# KiCad board AGB-E02-20.kicad_pcb (continued)
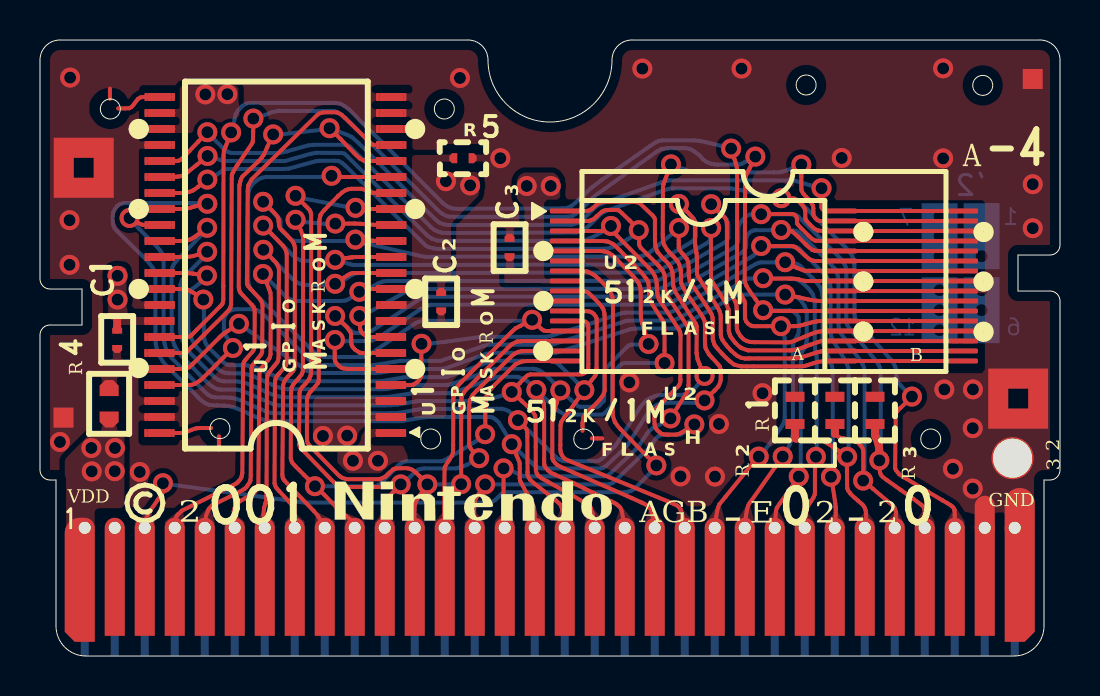
[diagram p0: board, top side]
## Routing (per net, layer and track width the routed paths; a pad name or vN(x,y) marks a point on that pad's centre or on a via; arc(x,y) is an arc through that point) (continued)
D6: length 60.1
  Top w0.1: U1.6 U1.6
  Top w0.2: 37.21,21.31 37.44,21.31 37.62,21.22 37.83,21.03 arc(37.88,20.99) 37.92,20.95 38.27,20.6 arc(38.29,20.58) 38.31,20.56 38.37,20.51 arc(38.48,20.4) 38.6,20.31 38.61,20.31 38.73,20.27 38.75,20.27 arc(38.88,20.25) 39.01,20.25 U2.28 U2.28 U2.28 ; 14.74,17.04 15.16,16.62 arc(15.19,16.59) 15.21,16.57 15.33,16.46 15.39,16.38 arc(15.44,16.32) 15.48,16.26 15.52,16.2 15.56,16.09 15.56,15.7 15.58,15.57 15.63,15.46 15.73,15.34 15.76,15.32 arc(15.86,15.24) 15.97,15.18 15.98,15.17 16.11,15.15 U1.6 U1.6 ; U0.28 42.79,6.93 arc(42.79,7.03) 42.8,7.13 42.8,7.2 42.76,7.34 42.71,7.44 42.62,7.54 41.66,8.35 arc(41.65,8.36) 41.64,8.37 41.18,8.77 ; v1(41.16,8.77) 41.17,9.47 arc(41.17,9.48) 41.17,9.49 41.17,10.22 41.14,10.37 41.06,10.5 41.04,10.52 arc(40.94,10.62) 40.84,10.71 40.83,10.72 40.73,10.76 40.67,10.77 arc(40.6,10.78) 40.52,10.8 40.45,10.81 arc(40.43,10.82) 40.4,10.83 40.28,10.86 arc(40.24,10.87) 40.19,10.88 39.96,10.93 39.85,11.01
  Top w0.4: 39.75,11.49 39.75,11.11
  Bottom w0.2: v1(41.16,8.77) 41.23,9.18 41.23,14.21 41.2,14.42 41.13,14.6 41.01,14.78 40.07,16.1 39.98,16.25 39.94,16.38 39.93,16.64 39.92,18.86 39.89,19.03 39.83,19.2 39.73,19.38 39.55,19.58 37.96,21.16 37.81,21.25 37.66,21.27 v1(37.06,21.3) 36.55,21.29 35.76,21.29 35.62,21.26 35.47,21.16 35.36,21.03 35.31,20.86 35.31,20.54 35.29,20.42 35.22,20.28 35.09,20.17 31.64,18.19 31.32,18.02 31.1,17.97 19.36,17.96 19.19,17.93 18.98,17.84 16.9,16.46 16.57,16.25 16.39,16.18 16.19,16.15 15.91,16.15 15.72,16.16 15.6,16.23 15.11,16.69 v1(14.76,17)
D7: length 58.7
  Top w0.1: U1.7 U1.7
  Top w0.2: 15.97,17.03 16,16.56 arc(16,16.55) 16,16.54 16.01,16.36 16.05,16.24 16.14,16.12 16.27,16.03 16.39,15.97 16.51,15.95 U1.7 U1.7 ; 36.16,22.1 37.64,22.1 37.75,22.05 37.82,21.97 37.85,21.86 37.85,21.73 37.87,21.61 37.87,21.6 arc(37.96,21.49) 38.06,21.39 38.42,21.03 arc(38.45,21) 38.47,20.98 38.59,20.87 38.75,20.77 38.8,20.76 arc(38.92,20.75) 39.03,20.75 U2.29 U2.29 U2.29 ; U0.29 44.24,7.1 arc(44.23,7.22) 44.22,7.34 44.22,7.38 44.17,7.47 44.08,7.54 arc(44.05,7.57) 44.02,7.59 43.65,7.87 arc(43.62,7.9) 43.58,7.93 43.04,8.3 arc(43.03,8.31) 43.02,8.32 42.36,8.79 arc(42.34,8.8) 42.32,8.82 42.14,8.95 42.05,9.06 42.01,9.16 42,9.19 arc(41.97,9.38) 41.95,9.58 41.95,9.76
  Top w0.4: 41.75,11.49 41.76,11.03 41.81,10.9 arc(41.84,10.85) 41.86,10.8 41.92,10.64 41.93,10.56 arc(41.95,10.41) 41.96,10.25 v1(41.97,9.78) 41.97,10.08
  Bottom w0.2: v1(41.97,9.78) 42.04,10.24 42.04,14.23 42,14.41 41.93,14.57 41.86,14.69 40.45,16.4 40.37,16.55 40.32,16.71 40.32,19.32 40.28,19.48 40.18,19.68 40.07,19.83 39.88,20.03 37.91,21.98 37.78,22.06 37.65,22.08 36.57,22.08 v1(36.06,22.09) 35.5,22.07 35.36,22.02 35.23,21.91 35.08,21.75 34.98,21.6 34.92,21.44 34.92,20.88 34.91,20.71 34.83,20.54 34.68,20.41 31.18,18.43 30.94,18.36 18.65,18.35 18.44,18.29 16.44,17.18 v1(15.97,17)
RD: length 65.7
  Top w0.1: U1.18 U1.18
  Top w0.2: U0.4 6.74,6.72 6.8,6.91 6.86,7.03 6.91,7.08 arc(6.99,7.17) 7.08,7.25 7.12,7.28 9.66,8.54 arc(9.72,8.57) 9.78,8.6 9.84,8.64 9.88,8.68 arc(9.92,8.72) 9.96,8.76 10,8.81 10.07,8.92 10.09,9 arc(10.1,9.05) 10.11,9.1 10.12,9.16 10.16,14.53 10.18,14.64 10.23,14.75 10.26,14.8 arc(10.3,14.84) 10.33,14.88 10.63,15.22 10.69,15.31 10.73,15.42 10.74,17.12 arc(10.73,17.22) 10.73,17.32 10.73,17.33 10.68,17.46 10.6,17.54 arc(10.59,17.56) 10.57,17.58 10.14,18.03 arc(10.09,18.09) 10.04,18.15 10.01,18.19 9.96,18.3 9.94,18.44 9.97,23.5 9.98,23.58 arc(10,23.66) 10.02,23.74 10.05,23.84 10.13,23.98 10.88,24.69 arc(10.9,24.71) 10.92,24.73 10.93,24.75 arc(11,24.81) 11.05,24.88 11.1,24.93 11.2,25.07 11.36,25.43 arc(11.36,25.43) 11.36,25.43 11.66,26.1 ; 39.07,23.44 39.07,22.62 arc(39.07,22.54) 39.07,22.46 39.08,22.42 39.13,22.33 39.21,22.27 39.33,22.25 U2.32 U2.32 U2.32 ; 14.54,26.36 15.04,25.84 15.72,25.13 arc(15.77,25.08) 15.82,25.04 16,24.87 16.19,24.77 16.34,24.76 arc(16.43,24.75) 16.51,24.75 U1.18 U1.18
  Bottom w0.2: v1(11.66,26.08) 12.05,26.08 13.99,26.3 v1(14.48,26.39) 15.36,26.06 15.59,25.95 15.95,25.63 18.06,23.53 18.5,23.08 19.75,21.85 19.97,21.67 20.21,21.58 20.43,21.55 26.58,21.56 26.85,21.64 27.05,21.75 27.4,22.08 27.71,22.39 27.9,22.54 28.09,22.62 31.2,23.73 31.42,23.78 37.44,23.78 37.75,23.76 38.12,23.65 38.53,23.53 v1(39.08,23.39)
WR: length 40.8
  Top w0.2: 30.84,9.55 30.39,9.95 arc(30.35,9.99) 30.3,10.04 29.03,11.33 arc(28.89,11.5) 28.76,11.68 28.75,11.7 28.73,11.74 arc(28.68,11.88) 28.64,12.03 28.64,12.06 28.64,12.22 arc(28.64,12.22) 28.64,12.22 28.65,17.55 arc(28.65,17.61) 28.64,17.67 28.63,17.94 28.6,18 arc(28.55,18.13) 28.49,18.25 28.47,18.3 28.41,18.37 arc(28.33,18.46) 28.26,18.54 27.94,18.85 arc(27.88,18.91) 27.81,18.96 27.71,19.05 27.63,19.09 arc(27.55,19.14) 27.46,19.18 27.37,19.22 27.28,19.23 arc(27.21,19.24) 27.14,19.24 27.08,19.25 arc(27.03,19.25) 26.97,19.25 U2.7 U2.7 ; v1(6.15,8.64) 6.14,8.17 6.03,8.01 arc(6.02,8) 6.01,7.99 5.89,7.81 5.53,7.28 arc(5.48,7.21) 5.43,7.13 5.38,7.04 arc(5.3,6.89) 5.24,6.73 5.24,6.72 U0.3
  Bottom w0.2: v1(6.15,8.64) 6.62,8.56 12.78,7.73 13,7.7 13.19,7.68 13.45,7.67 22.44,7.67 22.6,7.7 22.75,7.79 22.91,7.94 23.08,8.11 23.19,8.18 23.31,8.19 29.29,8.19 29.43,8.22 29.57,8.26 29.74,8.37 30.32,8.96 30.5,9.14 v1(30.82,9.53)
unconnected-(U1-Pad23): length 3
  Top w0.1: U1.23 U1.23
  Top w0.2: 3.91,27.38 4.27,27.38 arc(4.36,27.38) 4.45,27.39 4.47,27.39 4.56,27.44 4.66,27.53 4.72,27.62 arc(4.77,27.69) 4.82,27.76 4.91,27.86 5.03,27.93 5.15,27.95 U1.23 U1.23
unconnected-(U1-Pad44): length 3.3
  Top w0.1: 5.29,11.15 U1.44
  Top w0.2: U1.44 6.95,11.15 arc(7.02,11.15) 7.08,11.15 7.18,11.16 7.29,11.2 arc(7.37,11.22) 7.44,11.25 7.57,11.3 arc(7.69,11.35) 7.81,11.38 7.84,11.39 7.97,11.4 arc(8.03,11.4) 8.08,11.4 8.56,11.4
unconnected-(U2-NC-Pad9): length 9.4
  Top w0.2: U2.9 U2.9 27.2,18.24 27.33,18.21 27.43,18.15 27.58,18.01 arc(27.64,17.96) 27.69,17.91 27.95,17.64 arc(28.03,17.54) 28.11,17.43 28.12,17.43 28.18,17.31 28.22,17.15 28.23,17.03 arc(28.23,16.94) 28.24,16.85 28.24,13.28 28.21,13.17 28.16,13.05 28.08,12.95 arc(28.04,12.88) 27.99,12.82 27.94,12.77 arc(27.89,12.7) 27.82,12.64 27.7,12.51 arc(27.68,12.49) 27.66,12.47 27.52,12.34 arc(27.5,12.32) 27.48,12.3 27.43,12.25 arc(27.37,12.19) 27.31,12.13 27.26,12.06 27.19,11.96 27.17,11.89 arc(27.15,11.79) 27.13,11.69 27.13,11.64 27.13,11.26

## Copper pours and planes (outline as drawn; the poured copper is in the pictures)
+3V3 on Top: 25.63,18.87 25.29,18.87 25.21,18.94 25.21,22.66 25.37,22.82 25.88,22.82 26.05,22.99 26.05,23.84 25.68,24.21 24.17,24.21 23.81,23.85 23.81,22.84 24.23,22.31 24.22,19.47 24.1,19.31 23.85,19.31 23.74,19.38 23.7,19.44 23.7,19.96 23.3,19.96 23.3,19.38 23.25,19.31 23.21,19.25 23.21,18.75 23.3,18.63 25.63,18.63
+3V3 on Top: 17.06,12.95 13.85,12.95 13.65,12.75 13.65,10.8 13.95,10.5 15.53,10.5 15.54,10.51 15.62,10.55 15.73,10.64 15.8,10.72 15.84,10.83 15.86,10.96 15.89,11.05 15.93,11.16 15.99,11.26 16.1,11.38 16.21,11.46 16.3,11.49 16.39,11.51 16.45,11.56 16.48,11.63 16.5,11.7 16.51,11.74 16.53,11.75 16.91,11.75 16.91,12.15 16.55,12.14 16.46,12.24 16.46,12.48 16.57,12.54 16.63,12.55 17.06,12.55
+3V3 on Top: 1.24,6.16 1.24,9.71 1.27,9.83 1.32,9.94 1.45,10.08 2.49,11.15 2.56,11.2 2.88,11.2 2.97,11.22 3.04,11.27 3.08,11.33 3.08,11.54 3.86,11.54 3.86,11.31 4.24,10.92 4.27,10.89 4.27,7.63 4.2,7.52 4.13,7.45 4.07,7.41 4,7.39 3,7.39 2.93,7.38 2.84,7.35 2.75,7.26 2.74,7.22 2.74,6.16
+3V3 on Top: 5.71,16.55 3.97,16.55 3.97,16.41 3.74,16.41 3.74,16.72 3.4,16.91 3.39,16.92 3.39,19.25 3.41,19.32 3.45,19.38 3.49,19.43 3.55,19.48 3.61,19.5 4.2,19.5 4.25,19.48 4.32,19.41 4.34,19.37 4.36,19.32 4.37,19.27 4.37,17.19 4.39,17.15 4.44,17.09 4.53,17.01 4.59,16.96 4.62,16.95 5.71,16.95
+3V3 on Top: 6.05,26.15 7.58,26.15 7.68,26.25 7.68,26.37 7.76,26.53 7.82,26.61 7.91,26.71 7.98,26.77 8.07,26.82 8.16,26.86 8.25,26.88 8.55,26.88 8.6,26.86 8.72,26.8 8.84,26.7 8.86,26.69 9.09,26.69 9.13,26.72 9.2,26.77 9.31,26.82 9.46,26.87 9.78,26.87 9.92,26.96 9.97,27.01 9.97,28.33 9.95,28.41 9.9,28.47 9.84,28.52 9.78,28.56 9.72,28.57 7.1,28.57 7,28.47 6.99,28.43 6.99,27.47 6.98,27.43 6.96,27.39 6.93,27.35 6.11,27.35 6.09,27.33 6.09,26.95 6.89,26.95 6.92,26.92 6.95,26.88 6.98,26.83 6.98,26.65 6.97,26.62 6.95,26.59 6.92,26.55 6.05,26.55
+3V3 on Top: 17.59,17.35 19.22,17.35 19.36,17.48 19.36,18.57 19.5,18.71 19.77,18.71 19.87,18.61 19.87,18.38 20.25,18.38 20.25,18.61 20.55,19.06 20.57,19.08 20.57,21.57 20.61,21.64 20.65,21.7 21.93,23.01 21.97,23.09 21.98,23.1 21.98,24.05 21.84,24.2 20.08,24.2 19.98,24.3 19.98,24.63 20.07,24.72 20.59,24.72 20.59,25.05 20.57,25.07 18.74,25.07 18.66,25.01 18.62,24.96 18.6,24.92 18.6,17.8 18.55,17.75 17.59,17.75
+3V3 on Bottom: 28.14,11.76 28.06,11.75 27.98,11.72 27.95,11.67 27.95,11.57 28.14,11.28 28.21,11.14 28.22,11.02 28.23,10.93 28.23,10.64 28.26,10.59 28.28,10.58 28.37,10.58 28.42,10.62 28.55,10.75 28.73,11.01 28.97,11.36 29.15,11.64 29.37,12.01 29.59,12.34 29.61,12.38 29.66,12.46 29.72,12.54 29.81,12.67 29.89,12.77 29.98,12.86 30.15,13.01 30.23,13.07 30.31,13.12 30.41,13.18 30.52,13.24 30.66,13.29 30.79,13.33 30.92,13.36 31.01,13.38 32.14,13.38 32.24,13.42 32.46,13.56 32.59,13.7 32.6,13.72 32.6,14.16 32.68,14.31 32.73,14.39 32.8,14.46 32.88,14.53 32.96,14.59 33.14,14.68 33.47,14.68 33.6,14.64 33.71,14.59 33.82,14.49 33.91,14.39 34,14.22 34.04,14.08 34.04,13.87 34.02,13.76 33.91,13.54 33.86,13.49 33.84,13.45 33.84,13.27 33.9,13.19 33.98,13.07 34.01,12.97 34.02,12.89 34.02,12.6 33.99,12.49 33.94,12.38 33.87,12.29 33.81,12.23 33.7,12.15 33.6,12.11 33.52,12.06 33.49,12.02 33.49,11.79 33.52,11.75 33.54,11.69 33.54,11.37 33.49,11.26 33.42,11.15 33.34,11.05 33.23,10.97 33.12,10.9 32.98,10.85 32.68,10.85 32.64,10.87 32.54,10.9 32.47,10.92 32.41,10.92 32.35,10.89 32.29,10.84 32.24,10.83 32.18,10.8 32,10.76 31.16,10.76 31.1,10.72 31.01,10.62 30.91,10.47 30.86,10.39 30.86,10.28 30.88,10.24 30.91,10.22 31.07,10.22 31.14,10.19 31.26,10.12 31.35,10.07 31.43,9.99 31.51,9.89 31.56,9.82 31.61,9.71 31.62,9.69 31.62,9.34 31.56,9.22 31.5,9.11 31.43,9.02 31.35,8.96 31.26,8.9 31.14,8.85 31.02,8.83 30.64,8.83 30.59,8.77 30.4,8.59 30.27,8.45 30.02,8.21 29.89,8.11 29.75,8.03 29.63,7.97 29.53,7.94 29.38,7.89 29.3,7.88 23.32,7.88 23.01,7.59 22.84,7.48 22.68,7.39 22.55,7.37 13.24,7.37 9.16,7.88 7.77,8.08 6.97,8.2 6.85,8.21 6.73,8.11 6.62,8.02 6.51,7.96 6.36,7.91 5.98,7.92 5.83,8 5.7,8.1 5.59,8.22 5.5,8.39 5.47,8.77 5.52,8.89 5.61,9.04 5.71,9.15 5.8,9.23 5.9,9.28 6.02,9.32 6.34,9.32 6.47,9.27 6.58,9.22 6.7,9.13 6.81,8.99 6.89,8.89 6.96,8.83 7.07,8.81 7.34,8.79 7.75,8.74 12.93,8.04 13.04,8.04 13.08,8.08 13.14,8.13 13.14,8.3 13.12,8.35 13.11,8.41 13.11,8.48 13.15,8.71 13.17,8.79 13.22,8.87 13.37,9.05 13.53,9.15 13.61,9.18 13.7,9.2 13.79,9.21 13.9,9.21 13.99,9.2 14.09,9.17 14.18,9.13 14.27,9.08 14.43,8.92 14.51,8.81 14.53,8.79 16.75,8.79 17.58,9.64 17.62,9.68 17.68,9.68 17.73,9.72 17.81,9.81 17.83,9.83 17.83,11.19 17.77,11.32 17.69,11.39 17.62,11.43 17.53,11.44 16.26,11.44 16.22,11.42 16.19,11.39 16.16,11.35 16.16,10.58 16.14,10.51 16.09,10.44 16.01,10.35 15.94,10.3 15.78,10.23 15.13,10.23 14.74,9.84 14.64,9.78 14.6,9.75 13.15,9.75 13.05,9.7 12.9,9.7 12,9.19 8.16,9.19 8.03,9.25 7,10.24 6.96,10.26 6.95,10.27 4.74,10.27 4.67,10.23 4.6,10.16 4.54,10.07 4.52,10.02 4.52,9.04 4.47,8.9 4.39,8.74 4.31,8.64 4.21,8.55 4.08,8.49 3.98,8.45 3.87,8.44 2.41,8.44 2.31,8.48 2.15,8.56 2.07,8.64 1.95,8.77 1.91,8.86 1.87,8.97 1.87,10.62 1.93,10.75 2.02,10.88 2.25,11.1 3.14,12 3.17,12.06 3.17,19.04 3.14,19.14 3.05,19.24 2.3,20 2.28,20.1 2.24,20.24 2.24,22.98 2.3,23.08 2.46,23.31 7.77,29.11 7.95,29.29 8.13,29.39 8.36,29.44 17.19,29.44 17.34,29.39 17.56,29.28 17.76,29.12 19.05,27.86 19.12,27.82 19.24,27.82 19.31,27.86 19.43,28 19.57,28.11 19.74,28.24 19.88,28.3 20,28.34 20.43,28.34 20.55,28.3 20.68,28.24 20.88,28.12 21.02,28 21.16,27.84 21.22,27.68 21.25,27.53 21.25,27.21 21.19,27.01 21.1,26.8 20.98,26.67 20.69,26.44 20.65,26.38 20.65,26.25 22.6,24.34 22.7,24.27 22.84,24.21 22.95,24.19 25.72,24.19 25.94,24.11 26.04,24.03 26.13,23.95 26.21,23.84 26.25,23.75 26.3,23.61 26.3,22.78 26.32,22.77 26.37,22.77 26.42,22.78 27.44,23.74 28.15,24.23 29.75,25.37 30.38,25.83 30.57,25.94 30.81,26.05 31,26.09 31.1,26.11 32.85,26.11 33.18,26.06 33.82,25.88 33.87,25.85 34.02,25.85 34.11,25.91 34.26,26.02 34.41,26.08 34.53,26.09 34.79,26.09 34.9,26.05 35.01,25.98 35.09,25.91 35.17,25.82 35.22,25.74 35.26,25.67 35.32,25.63 35.4,25.61 35.47,25.61 35.56,25.64 35.66,25.7 35.95,25.7 36.05,25.66 36.21,25.59 36.3,25.51 36.39,25.42 36.47,25.28 36.52,25.15 36.53,25.07 36.53,24.89 36.51,24.84 36.49,24.77 36.49,24.63 36.54,24.55 36.6,24.5 36.64,24.49 37.01,24.49 37.12,24.54 37.24,24.58 37.34,24.62 37.39,24.67 37.42,24.76 37.46,24.87 37.53,24.99 37.63,25.1 37.75,25.19 37.88,25.26 37.99,25.29 38.32,25.29 38.44,25.23 38.55,25.16 38.67,25.05 38.75,24.93 38.81,24.8 38.83,24.71 38.83,24.18 38.88,24.13 38.92,24.1 39.21,24.1 39.32,24.09 39.43,24.06 39.53,23.99 39.61,23.92 39.67,23.86 39.73,23.78 39.78,23.68 39.82,23.57 39.84,23.47 39.84,23.26 39.79,23.09 39.74,22.99 39.67,22.9 39.57,22.81 39.46,22.74 39.34,22.7 39.23,22.68 39.17,22.68 39.14,22.65 39.14,22.04 39.18,21.96 40.77,20.34 40.85,20.23 40.93,20.09 41,19.92 41.03,19.79 41.05,19.66 41.05,17.09 41.09,16.99 41.15,16.87 42.1,15.81 42.67,15.14 42.86,14.93 43,14.7 43.07,14.53 43.12,14.37 43.15,14.24 43.15,13.9 43.21,13.79 43.3,13.72 43.35,13.68 43.74,13.68 43.86,13.63 44.02,13.56 44.12,13.47 44.22,13.36 44.28,13.24 44.31,13.15 44.33,13.06 44.33,12.82 44.3,12.72 44.23,12.58 44.13,12.46 44.03,12.37 43.9,12.3 43.84,12.27 43.76,12.26 43.44,12.26 43.29,12.31 43.14,12.4 43.04,12.5 42.95,12.65 42.92,12.75 42.9,12.85 42.89,13.17 42.6,13.53 42.55,13.56 42.45,13.56 42.4,13.53 42.36,13.49 42.36,10.45 42.41,10.39 42.54,10.28 42.64,10.17 42.7,10.04 42.75,9.9 42.75,9.58 42.69,9.48 42.57,9.32 42.48,9.24 42.38,9.17 42.3,9.12 42.22,9.1 42.13,9.08 42.04,9.08 41.95,8.97 41.95,8.65 41.9,8.52 41.83,8.39 41.75,8.3 41.65,8.21 41.54,8.15 41.42,8.11 41.37,8.09 41.07,8.09 40.93,8.14 40.75,8.23 40.66,8.32 40.61,8.41 40.53,8.55 40.49,8.67 40.46,8.7 40.3,8.7 40.25,8.62 40.19,8.53 40,8.37 39.85,8.31 39.72,8.29 39.43,8.29 39.22,8.4 39.08,8.54 39.01,8.63 38.93,8.77 38.89,8.79 38.78,8.79 38.74,8.76 38.71,8.69 38.65,8.59 38.59,8.51 38.43,8.39 38.25,8.3 38.15,8.29 37.88,8.29 37.77,8.32 37.68,8.37 37.59,8.43 37.52,8.5 37.45,8.59 37.38,8.69 37.35,8.76 37.32,8.85 37.31,8.98 37.31,9.17 37.22,9.28 37.12,9.3 37.03,9.3 36.95,9.33 36.86,9.37 36.8,9.41 36.7,9.51 36.6,9.51 36.49,9.47 36.4,9.4 36.28,9.32 36.2,9.3 35.79,9.3 35.67,9.35 35.55,9.43 35.39,9.59 35.34,9.68 35.31,9.77 35.3,9.85 35.3,10.08 35.32,10.17 35.38,10.28 35.43,10.38 35.53,10.49 35.64,10.57 35.73,10.62 35.94,10.69 36.12,10.69 36.18,10.72 36.27,10.84 36.89,11.78 36.9,11.81 36.9,15.73 36.88,15.75 36.68,15.91 36.57,16.01 36.45,16.2 36.41,16.3 36.4,16.42 36.36,16.5 36.31,16.54 35.99,16.57 35.86,16.64 35.73,16.73 35.64,16.85 35.57,16.96 35.52,17.06 35.5,17.23 35.5,17.47 35.51,17.5 35.54,17.52 35.55,17.56 35.55,17.64 35.53,17.68 35.5,17.72 35.46,17.75 35,17.74 34.89,17.73 32.06,16.13 31.92,16.09 31.81,16.06 31.7,16.05 31.24,16.06 31.2,16.04 31.15,16 31.15,15.89 31.18,15.84 31.22,15.74 31.23,15.65 31.23,15.44 31.3,15.33 31.49,15.33 31.58,15.3 31.67,15.24 31.78,15.17 31.86,15.09 31.93,15 31.97,14.91 32.01,14.79 32.03,14.69 32.03,14.53 32.02,14.41 31.98,14.32 31.93,14.23 31.86,14.12 31.81,14.08 31.7,14 31.57,13.94 31.38,13.89 31.19,13.89 31.04,13.92 30.88,14.01 30.79,14.1 30.71,14.19 30.62,14.3 29.27,14.3 29.2,14.27 28.94,14 28.94,12.48 28.84,12.28 28.76,12.19 28.53,11.96 28.41,11.86 28.32,11.79
+3V3 on Bottom: 25.86,22.67 25.96,22.7 26.05,22.8 26.05,23.59 26.01,23.72 25.93,23.82 25.8,23.92 25.69,23.96 25.61,23.97 22.83,23.97 22.68,24.01 22.54,24.08 22.45,24.14 21.14,25.42 20.22,26.33 20.15,26.35 20.02,26.37 19.89,26.4 19.78,26.44 19.66,26.49 19.58,26.55 19.48,26.66 19.4,26.76 19.3,26.89 19.27,26.99 19.23,27.11 19.21,27.22 19.21,27.36 19.17,27.4 18.8,27.75 17.54,28.99 17.4,29.09 17.21,29.17 17.11,29.2 16.95,29.22 8.33,29.22 8.25,29.19 8.1,29.12 8.01,29.03 7.38,28.3 7.25,28.18 2.51,23 2.48,22.94 2.47,22.78 2.47,20.24 2.49,20.15 2.61,19.99 2.89,19.72 3.26,19.37 3.33,19.27 3.38,19.14 3.38,11.98 3.3,11.82 3.14,11.65 2.21,10.74 2.15,10.64 2.11,10.52 2.09,10.42 2.09,9.11 2.13,9 2.19,8.88 2.26,8.79 2.34,8.72 2.38,8.68 3.89,8.68 3.95,8.7 4.04,8.75 4.18,8.89 4.26,9.03 4.26,10.09 4.28,10.15 4.33,10.22 4.39,10.3 4.44,10.36 4.51,10.41 4.59,10.44 4.66,10.46 4.81,10.49 7.09,10.49 7.14,10.46 7.47,10.13 8.18,9.46 8.25,9.44 11.9,9.44 12.01,9.47 12.25,9.6 12.37,9.67 12.45,9.71 12.96,9.98 12.99,10.01 14.48,10.01 14.53,10.03 14.61,10.07 14.73,10.17 14.98,10.42 15.03,10.46 15.75,10.46 15.82,10.53 15.89,10.61 15.91,10.66 15.91,11.19 15.89,11.28 15.84,11.34 15.78,11.39 15.74,11.42 11.46,11.42 11.25,11.45 11.02,11.52 10.64,11.68 10.23,11.87 10.16,11.9 10.11,11.9 9.99,11.78 9.99,11.65 10.02,11.61 10.04,11.48 10.04,11.04 9.97,10.91 9.86,10.72 9.76,10.6 9.65,10.5 9.49,10.41 9.36,10.36 9.2,10.32 8.86,10.32 8.71,10.35 8.59,10.39 8.42,10.49 8.26,10.64 8.13,10.82 8.04,11 8,11.12 8,11.55 8.05,11.68 8.1,11.8 8.17,11.92 8.33,12.08 8.33,12.26 8.26,12.3 8.09,12.39 7.96,12.47 7.8,12.6 7.24,13.16 6.14,14.24 5.89,14.55 5.7,14.84 5.56,15.17 5.49,15.48 5.46,15.69 5.46,19.03 5.45,19.14 5.4,19.24 5.28,19.38 4.16,20.5 3.58,21.07 3.46,21.23 3.38,21.39 3.36,21.49 3.35,21.63 3.35,22.21 3.37,22.28 3.42,22.39 3.51,22.56 3.62,22.69 3.75,22.8 3.91,22.89 4.07,22.95 7.33,22.95 7.41,22.99 7.47,23.05 7.56,23.13 7.61,23.2 7.65,23.27 7.68,23.35 7.68,26.24 7.7,26.35 7.74,26.46 7.82,26.6 7.9,26.7 8.12,26.83 8.22,26.85 8.57,26.85 8.66,26.82 8.77,26.75 8.86,26.69 8.91,26.66 9.06,26.66 9.12,26.69 9.18,26.74 9.27,26.79 9.36,26.85 9.4,26.88 9.42,26.91 9.44,27.02 9.47,27.13 9.52,27.26 9.6,27.39 9.69,27.48 9.82,27.63 9.93,27.74 10.04,27.83 10.13,27.87 10.27,27.93 10.42,27.97 14.89,27.97 15.11,27.92 15.28,27.84 15.42,27.77 15.56,27.67 15.68,27.54 15.88,27.35 16.14,27.09 16.7,26.52 20.31,22.92 20.47,22.77 20.57,22.71 20.69,22.67
GND on Top: 16.96,11.35 16.44,11.35 16.22,11.23 16.07,11.01 16.03,10.78 15.96,10.62 15.77,10.43 15.62,10.33 15.5,10.28 14.94,10.28 14.89,10.24 14.87,10.18 14.87,9.67 15.41,9.14 17,9.14 17.55,9.6 17.68,9.67 17.77,9.69 18.28,9.69 18.39,9.77 18.39,9.99 18.16,10.52 16.68,10.52 16.61,10.56 16.55,10.62 16.55,10.83 16.58,10.89 16.65,10.95 16.96,10.95
GND on Top: 5.96,11.75 6.85,11.75 6.96,11.65 6.96,11.49 6.98,11.46 7.15,11.46 7.54,11.61 7.66,11.65 7.79,11.69 7.92,11.7 7.97,11.71 8.01,11.79 8.07,11.9 8.13,12 8.18,12.07 8.24,12.13 8.39,12.24 8.55,12.32 8.69,12.37 8.83,12.4 8.92,12.41 9.71,12.41 9.76,12.44 9.81,12.49 9.81,14.56 9.76,14.64 9.71,14.68 9.62,14.69 9.4,14.69 9.36,14.67 8.52,13.82 8.29,13.6 8.06,13.42 7.91,13.36 7.74,13.3 7.49,13.24 7.01,13.24 6.98,13.23 6.96,13.18 6.96,13.05 6.9,12.99 6.85,12.95 5.96,12.95 5.96,12.55 6.79,12.55 6.87,12.51 6.94,12.46 6.94,12.28 6.91,12.22 6.86,12.17 6.81,12.15 5.97,12.15
GND on Top: 0.47,9.37 0.5,9.3 0.54,9.26 0.59,9.22 0.84,9.22 0.91,9.25 0.97,9.3 0.98,9.36 0.98,9.79 0.99,9.88 1.03,9.97 1.11,10.07 1.22,10.19 2.5,11.48 2.53,11.54 2.54,11.55 2.54,13.85 2.56,13.9 2.63,13.96 2.68,14 2.75,14.02 2.89,14.02 2.96,14 3.04,13.93 3.09,13.87 3.09,13.49 3.85,13.49 3.85,13.86 3.92,13.95 3.97,14 4.02,14.01 4.22,14.01 4.25,14 4.32,13.94 4.37,13.89 4.39,13.86 4.39,11.25 4.41,11.2 4.48,11.12 4.48,7.61 4.53,7.53 4.61,7.44 4.66,7.42 4.73,7.41 5.16,7.41 5.19,7.43 5.35,7.59 5.47,7.75 5.65,8.03 5.67,8.07 5.67,8.11 5.65,8.13 5.49,8.37 5.45,8.44 5.43,8.52 5.44,8.8 5.45,8.88 5.51,8.99 5.69,9.18 5.79,9.26 5.88,9.31 5.97,9.33 6.02,9.34 6.34,9.34 6.42,9.31 6.51,9.27 6.59,9.21 6.67,9.14 6.74,9.06 6.81,8.95 6.83,8.88 6.85,8.76 6.85,8.5 6.83,8.42 6.79,8.31 6.74,8.23 6.65,8.13 6.52,8.03 6.34,7.89 6.2,7.69 6.18,7.66 6.18,7.55 6.21,7.49 6.28,7.42 6.31,7.41 6.71,7.41 6.75,7.42 6.82,7.49 6.94,7.56 7.92,8.04 9.12,8.61 9.65,8.88 9.74,8.99 9.81,9.13 9.82,9.19 9.82,10.2 9.81,10.23 9.78,10.28 9.72,10.34 9.68,10.37 9.61,10.38 8.8,10.38 8.72,10.4 8.61,10.43 8.45,10.49 8.34,10.56 8.17,10.73 8.07,10.86 8.01,10.96 7.98,11.04 7.96,11.07 7.83,11.07 7.71,11.01 7.57,10.98 7.36,10.89 7.24,10.85 7.14,10.84 7.02,10.84 6.98,10.82 6.98,10.78 6.97,10.7 6.91,10.6 6.84,10.55 6.79,10.54 6.72,10.53 5.11,10.53 5.08,10.54 5.04,10.57 4.99,10.61 4.93,10.69 4.92,10.72 4.92,11.66 4.93,11.69 5,11.76 5.04,11.77 5.48,11.77 5.48,12.13 5.09,12.13 5.06,12.15 4.96,12.24 4.94,12.28 4.94,12.43 4.95,12.45 4.99,12.5 5.08,12.54 5.12,12.56 5.15,12.57 5.39,12.57 5.39,12.93 5.15,12.93 5.11,12.94 5.01,12.99 4.97,13.02 4.94,13.06 4.93,13.1 4.93,14.62 4.92,14.67 4.83,14.76 4.78,14.79 4.24,14.79 4.18,14.8 4.13,14.82 4.07,14.88 4.06,14.91 4.06,15.31 3.65,15.31 3.65,14.91 3.61,14.84 3.57,14.81 3.52,14.79 3.29,14.79 3.22,14.82 3.16,14.9 3.15,14.93 3.15,19.34 3.24,19.49 3.3,19.57 3.5,19.69 3.61,19.73 4.21,19.73 4.28,19.71 4.36,19.66 4.45,19.59 4.51,19.52 4.56,19.43 4.59,19.34 4.59,17.5 4.71,17.38 4.73,17.37 5.43,17.37 5.43,17.73 5.09,17.73 5.06,17.74 5.03,17.76 5,17.8 4.97,17.85 4.95,17.92 4.95,21.04 4.94,21.07 4.83,21.19 4.36,21.19 4.25,21.22 4.14,21.27 4.05,21.35 3.92,21.47 3.84,21.58 3.81,21.66 3.78,21.75 3.78,22.09 3.8,22.18 3.84,22.26 3.94,22.38 4.05,22.48 4.19,22.57 4.33,22.62 4.47,22.64 4.82,22.64 4.95,22.74 4.95,25.29 5.01,25.37 5.41,25.37 5.41,25.73 5.02,25.73 4.95,25.81 4.95,27.26 4.93,27.3 4.9,27.3 4.84,27.24 4.74,27.16 4.64,27.11 4.55,27.08 4.47,27.07 4.45,27.05 4.45,27.02 4.41,26.95 4.39,26.89 4.34,26.81 4.24,26.69 4.12,26.59 4.03,26.52 3.93,26.46 3.83,26.42 3.73,26.4 3.66,26.38 3.3,26.38 3.25,26.39 3.13,26.43 3,26.48 2.89,26.55 2.76,26.67 2.6,26.89 2.53,27.01 2.49,27.12 2.47,27.19 2.47,27.57 2.49,27.66 2.52,27.74 2.57,27.85 2.64,27.95 2.72,28.06 2.84,28.17 2.95,28.25 3.14,28.34 3.26,28.38 3.37,28.39 3.72,28.39 3.79,28.38 3.95,28.33 4.03,28.27 4.15,28.19 4.23,28.11 4.29,28.02 4.37,27.89 4.43,27.81 4.47,27.81 4.51,27.87 4.57,27.94 4.64,28.02 4.73,28.1 4.81,28.16 4.87,28.2 4.91,28.22 4.97,28.23 4.97,28.41 5.01,28.46 5.06,28.51 5.12,28.54 6.78,28.54 6.85,28.63 6.91,28.7 6.96,28.74 7.04,28.77 7.12,28.79 9.83,28.79 9.93,28.75 10.02,28.67 10.1,28.58 10.15,28.51 10.18,28.44 10.19,28.35 10.19,27.67 10.31,27.55 10.42,27.55 10.49,27.56 10.52,27.58 10.78,27.58 10.89,27.56 11.02,27.5 11.12,27.43 11.19,27.36 11.25,27.29 11.31,27.19 11.34,27.08 11.37,26.95 11.39,26.86 11.44,26.82 11.54,26.79 11.78,26.79 11.87,26.77 12.03,26.7 12.11,26.64 12.21,26.54 12.28,26.44 12.34,26.32 12.37,26.21 12.4,26.12 12.49,26.12 12.58,26.22 12.75,26.4 13.4,27.05 13.63,27.26 13.77,27.37 13.94,27.45 14.12,27.48 14.93,27.48 15.1,27.41 15.26,27.32 15.42,27.19 16.47,26.17 17.08,26.17 17.08,26.53 16.7,26.53 16.59,26.64 16.59,26.81 16.62,26.87 16.66,26.92 16.72,26.95 16.79,26.97 16.97,26.97 16.97,27.33 16.73,27.33 16.61,27.41 16.58,27.47 16.58,27.59 16.65,27.71 16.72,27.75 16.75,27.77 17.02,27.77 17.02,28.13 16.76,28.13 16.7,28.15 16.61,28.21 16.59,28.26 16.59,28.42 16.61,28.47 16.74,28.54 16.83,28.56 18.44,28.56 18.54,28.52 18.59,28.47 18.61,28.44 18.62,28.4 18.62,28.26 18.61,28.22 18.56,28.17 18.52,28.14 18.5,28.13 17.94,28.13 17.94,27.77 18.45,27.77 18.6,27.64 18.62,27.6 18.62,27.44 18.57,27.38 18.51,27.33 18.02,27.33 18.02,26.97 18.46,26.97 18.62,26.82 18.62,26.68 18.59,26.61 18.53,26.54 18.49,26.53 17.91,26.53 17.91,26.17 18.46,26.17 18.6,26.05 18.62,26.01 18.62,25.42 18.72,25.31 19.94,25.31 20.27,25.6 22.07,25.6 22.14,25.58 22.19,25.52 22.22,25.44 22.22,25.18 22.2,25.14 22.14,25.08 22.11,25.07 21.67,25.07 21.67,24.73 22.12,24.73 22.18,24.68 22.22,24.63 22.22,23.11 22.14,22.86 20.83,21.53 20.81,21.45 20.81,16.9 20.79,16.82 20.72,16.73 20.67,16.7 20.64,16.69 20.43,16.69 20.37,16.71 20.29,16.75 20.25,16.8 20.25,17.06 19.87,17.06 19.87,16.79 19.79,16.71 19.74,16.68 19.58,16.68 19.53,16.71 19.44,16.8 19.36,16.9 19.31,16.93 18.03,16.93 18.03,16.57 18.57,16.57 18.6,16.53 18.6,16.47 18.65,16.4 18.7,16.34 18.74,16.32 19.24,16.32 19.31,16.28 19.37,16.28 19.49,16.19 19.56,16.14 19.62,16.08 19.69,15.98 19.74,15.88 19.78,15.74 19.78,15.5 19.76,15.39 19.65,15.17 19.54,15.06 19.45,14.98 19.39,14.9 19.38,14.89 19.38,14.05 19.36,13.88 19.31,13.76 19.26,13.68 19.11,13.48 19.01,13.4 18.9,13.32 18.78,13.26 18.67,13.25 18.63,13.24 18.6,13.21 18.6,12.06 18.66,11.98 18.69,11.95 18.72,11.93 18.73,11.92 20.21,11.92 20.35,12.06 20.35,13.04 20.36,13.12 20.39,13.27 20.44,13.4 20.57,13.6 20.64,13.69 20.72,13.79 20.93,13.99 21.22,14.29 21.42,14.49 21.86,14.92 22.15,15.22 22.47,15.54 22.91,15.97 23.36,16.43 23.61,16.64 23.73,16.71 23.82,16.76 23.86,16.77 23.87,16.82 23.94,17.12 24.01,17.22 24.1,17.33 24.22,17.42 24.32,17.47 24.44,17.51 24.53,17.53 25.05,17.53 25.12,17.55 25.16,17.6 25.21,17.64 25.76,17.64 25.76,17.87 25.23,17.87 25.19,17.92 25.18,18.25 25.06,18.38 25.05,18.39 23.22,18.39 23.16,18.41 23.09,18.45 23.02,18.52 22.98,18.58 22.96,18.63 22.96,19.37 22.91,19.43 22.78,19.57 22.77,19.63 22.77,21.3 22.89,21.43 23.15,21.43 23.23,21.4 23.28,21.36 23.3,21.33 23.3,20.85 23.68,20.85 23.68,21.33 23.7,21.36 23.81,21.47 23.91,21.55 23.95,21.6 23.97,21.63 23.97,22.31 23.95,22.37 23.82,22.48 23.66,22.67 23.58,22.89 23.58,23.81 23.6,23.89 23.63,23.96 23.7,24.1 23.78,24.2 23.88,24.29 23.99,24.36 24.1,24.41 24.23,24.43 25.64,24.43 25.75,24.41 25.85,24.36 25.95,24.3 26.07,24.19 26.18,24.03 26.25,23.9 26.27,23.77 26.27,23.03 26.28,22.97 26.31,22.91 26.35,22.86 26.38,22.84 26.41,22.83 27.62,22.83 27.71,22.89 27.83,22.95 27.97,22.99 28.1,23.02 29.97,23.02 30.05,22.97 30.2,22.88 30.34,22.77 30.54,22.56 30.75,22.56 30.79,22.58 30.83,22.65 30.83,23.58 30.86,23.69 30.94,23.9 31,23.98 31,24.16 30.93,24.25 30.87,24.36 30.87,24.76 30.9,24.84 30.98,24.98 31.09,25.1 31.22,25.2 31.34,25.25 31.42,25.27 31.71,25.27 31.78,25.26 31.91,25.2 32.04,25.09 32.12,25 32.2,24.9 32.25,24.82 32.27,24.75 32.27,24.4 32.12,24.12 31.94,23.98 31.84,23.91 31.75,23.88 31.67,23.88 31.64,23.85 31.61,23.79 31.6,23.7 31.55,23.66 31.53,23.64 31.53,23.5 31.49,23.48 31.49,23.37 31.59,23.28 31.68,23.28 31.74,23.3 32.1,23.3 32.2,23.28 32.32,23.22 32.46,23.08 32.56,23.03 32.98,23.03 33.13,23.17 33.19,23.22 33.35,23.29 33.76,23.29 33.88,23.26 34.01,23.18 34.18,23.03 34.44,23.03 34.5,23.08 34.54,23.17 34.54,24.33 34.5,24.42 34.48,24.52 34.48,24.64 34.45,24.68 34.38,24.72 34.28,24.72 34.03,24.87 33.98,24.93 33.91,25.06 33.86,25.17 33.84,25.28 33.85,25.55 33.89,25.66 33.96,25.76 34.04,25.87 34.15,25.96 34.26,26.03 34.41,26.08 34.71,26.08 34.82,26.04 34.96,25.97 35.06,25.88 35.15,25.79 35.19,25.7 35.24,25.63 35.3,25.6 35.43,25.6 35.53,25.62 35.63,25.65 35.7,25.68 35.88,25.68 35.95,25.65 36.08,25.61 36.18,25.55 36.27,25.47 36.34,25.4 36.39,25.32 36.43,25.25 36.47,25.16 36.49,25.09 36.49,24.78 36.34,24.54 36.27,24.47 36.13,24.39 36.04,24.34 35.92,24.3 35.8,24.27 35.65,23.97 35.62,23.88 35.59,23.8 35.59,23.17 35.63,23.09 35.67,23.03 35.76,23.01 36.29,23.01 36.33,23.04 36.38,23.09 36.42,23.16 36.46,23.24 36.51,23.31 36.58,23.41 36.67,23.48 36.8,23.56 36.87,23.59 37.28,23.59 37.39,23.55 37.49,23.47 37.66,23.47 37.7,23.52 37.73,23.58 37.73,23.92 37.7,23.97 37.64,24.01 37.49,24.15 37.41,24.27 37.36,24.45 37.36,24.71 37.37,24.8 37.42,24.9 37.48,24.99 37.6,25.1 37.72,25.2 37.92,25.26 38,25.28 38.19,25.29 38.31,25.26 38.44,25.18 38.59,25.08 38.7,24.95 38.76,24.87 38.79,24.73 38.79,24.42 38.78,24.38 38.75,24.35 38.75,24.23 38.89,24.09 38.95,24.09 38.99,24.12 39.23,24.12 39.39,24.05 39.5,23.98 39.6,23.91 39.67,23.82 39.73,23.7 39.78,23.54 39.79,23.48 39.79,23.24 39.76,23.17 39.74,23.09 39.71,23.05 39.71,22.93 39.8,22.82 39.83,22.79 46.99,22.79 47.14,22.78 47.23,22.68 47.25,22.61 47.25,18.37 47.21,18.35 46.63,18.35 46.63,18.14 47.21,18.14 47.25,18.06 47.25,14.33 47.22,14.29 47.1,14.14 34.51,14.14 34.5,14.13 34.38,14.04 34.37,14.01 34.37,13.79 34.32,13.61 34.25,13.37 34.14,13.22 34,13.07 33.95,13.03 33.95,12.69 33.92,12.52 33.85,12.37 33.71,12.21 33.56,12.12 33.44,12.07 33.42,12.05 33.39,11.98 33.39,11.9 33.43,11.84 33.44,11.77 33.45,11.66 33.45,11.45 33.41,11.3 33.37,11.18 33.24,11.04 33.13,10.96 33.06,10.93 32.96,10.88 32.81,10.86 32.61,10.86 32.44,10.9 32.37,10.94 32.3,10.93 32.25,10.89 32.04,10.8 31.94,10.77 31.19,10.77 31.04,10.8 30.91,10.85 30.65,11.05 30.54,11.18 30.47,11.36 30.43,11.5 30.43,12.27 30.47,12.4 30.56,12.56 30.65,12.67 31.59,13.57 31.7,13.68 31.72,13.75 31.72,13.96 31.71,13.98 31.51,13.98 31.45,13.94 31.35,13.93 31.07,13.93 30.97,13.97 30.83,14.03 30.72,14.12 30.62,14.23 30.58,14.33 30.53,14.46 30.52,14.51 30.52,14.84 30.48,14.88 30.44,14.9 30.19,14.9 30.09,14.95 29.97,15.02 29.88,15.12 29.81,15.21 29.75,15.36 29.73,15.48 29.73,15.75 29.75,15.83 29.81,15.95 29.88,16.07 29.92,16.13 29.92,16.25 29.88,16.31 29.74,16.86 29.73,16.93 29.73,18.31 29.7,18.42 29.63,18.53 29.54,18.64 28.88,19.35 28.56,19.68 28.29,19.88 28.19,19.92 28.1,19.94 27.36,19.94 27.32,19.92 27.28,19.89 27.26,19.86 26.59,19.86 26.59,19.64 27.26,19.64 27.28,19.61 27.32,19.57 27.38,19.55 27.48,19.52 27.58,19.48 27.7,19.44 27.81,19.39 27.89,19.33 28.05,19.19 28.33,18.91 28.5,18.75 28.66,18.57 28.76,18.46 28.84,18.3 28.9,18.14 28.94,17.95 28.97,17.84 28.97,12.1 28.99,11.99 29.07,11.78 29.21,11.62 30.55,10.26 30.59,10.25 30.89,10.25 31.04,10.23 31.2,10.16 31.31,10.08 31.44,9.94 31.48,9.85 31.53,9.71 31.55,9.61 31.55,9.39 31.51,9.27 31.45,9.15 31.37,9.04 31.28,8.95 31.16,8.88 31.07,8.83 30.91,8.81 30.69,8.81 30.49,8.87 30.34,8.97 30.21,9.13 30.15,9.29 30.12,9.42 30.12,9.78 29.72,10.21 28.58,11.35 28.5,11.48 28.3,11.91 28.28,11.92 27.77,11.92 27.7,11.89 27.68,11.85 27.68,11.78 27.73,11.72 27.98,11.48 28.12,11.23 28.12,10.98 28.13,10.7 28.11,10.57 28.02,10.39 27.91,10.23 27.81,10.12 27.49,9.92 27.36,9.87 27.36,9.76 27.38,9.71 27.47,9.67 27.68,9.59 28.16,9.4 29.11,9.01 30.04,8.63 30.63,8.39 31.85,7.9 32.04,7.8 32.13,7.72 32.36,7.49 33.44,7.49 33.51,7.53 34.2,8.35 35.24,9.61 35.24,10.14 35.28,10.26 35.35,10.41 35.47,10.53 35.58,10.6 35.76,10.66 35.86,10.68 36.14,10.68 36.24,10.62 36.48,10.47 36.62,10.47 36.8,10.61 36.82,10.64 36.82,13.5 36.86,13.61 36.98,13.68 37.03,13.7 37.44,13.7 37.56,13.57 37.56,12.94 37.92,12.94 37.92,13.58 38.04,13.7 39.45,13.7 39.58,13.58 39.58,13.03 39.94,13.03 39.94,13.59 40.08,13.7 41.48,13.7 41.58,13.6 41.58,12.95 41.96,12.95 41.96,13.6 42.07,13.7 43.68,13.7 43.83,13.67 43.96,13.63 44.05,13.56 44.15,13.48 44.22,13.39 44.29,13.22 44.31,13.13 44.32,13.03 44.32,12.84 44.29,12.72 44.21,12.58 44.15,12.49 44.06,12.4 43.96,12.33 43.82,12.27 43.74,12.25 43.35,12.25 43.29,12.21 43.21,12.13 43.15,12.06 43.11,11.99 43.11,9.45 43.13,9.4 43.25,9.24 45.65,7.85 45.77,7.78 45.9,7.7 46.15,7.35 46.2,7.26 46.27,7.21 46.44,7.17 46.55,7.14 46.71,7.1 46.74,7.08 46.74,6.14 47.74,6.14 47.74,7.01 47.75,7.08 47.78,7.14 47.83,7.18 48.14,7.18 48.17,7.16 48.21,7.12 48.24,7.08 48.24,6.14 51.2,6.14 51.2,30.96 51.1,31.41 -0.08,31.41 -0.08,15.81 0.48,15.8
GND on Bottom: -0.96,31.36 51.62,31.36 51.62,8.25 50.35,6.98 -0.45,6.98 -0.96,7.49
A11 on Top: 25.74,6.3 25.74,6.62 26.08,7.48 26.16,7.53 26.74,6.68 26.74,6.3
A12 on Top: 27.24,6.35 27.24,6.62 27.45,7.43 27.6,7.49 28.24,6.66 28.24,6.35
A13 on Top: 28.74,6.36 28.74,6.61 29,7.38 29.08,7.5 29.74,6.69 29.74,6.36
A14 on Top: 30.24,6.32 30.24,6.62 30.46,7.33 30.59,7.43 31.24,6.63 31.24,6.32
A15 on Top: 31.74,6.26 31.74,6.61 31.96,7.34 32.1,7.39 32.74,6.66 32.74,6.26
CS on Top: 7.74,6.4 7.74,6.74 8.37,7.41 8.54,7.33 8.74,6.68 8.74,6.4
CS2 on Top: 45.24,6.33 45.25,6.63 45.66,7.29 45.76,7.47 46.24,6.74 46.24,6.33
D0 on Top: 33.24,6.36 33.24,6.59 33.82,7.45 34.05,7.54 34.24,6.77 34.24,6.36
D1 on Top: 34.74,6.35 34.74,6.65 35.32,7.5 35.51,7.51 35.74,6.61 35.74,6.35
D7 on Top: 43.74,6.35 43.74,6.61 44.2,7.37 44.26,7.52 44.74,6.73 44.74,6.35
WR on Top: 4.74,6.07 4.74,6.7 5.35,7.18 5.6,7.23 5.6,7.01 5.74,6.71 5.74,6.08

Small or netless copper shapes (teardrops, artwork), in the pictures only: 17 on Top

## Text on the board
User.Drawings: PCB3D_TL_AGB-E02-20 | PCB3D_BR_AGB-E02-20
F.Silkscreen: M | 5 | - | © | 0 | A | K | S | VDD | F | GND | 2 | H | L | AGB | E
